# Altium PCB as14120_all.PcbDoc (part 4 of 4)
Units mm, origin at the board's own origin, x right, y up, seen from the top; angles counter-clockwise.
Board outline 130 x 100 mm, 6 copper layers (Top Layer, GND_top, Signal_Power, Signal_midle, GND_bot, Bottom Layer), stack 1.003 mm thick; 383 components, 353 nets, 2210 pads, 1060 vias.
Unrouted connection lines stored in the file: 634.
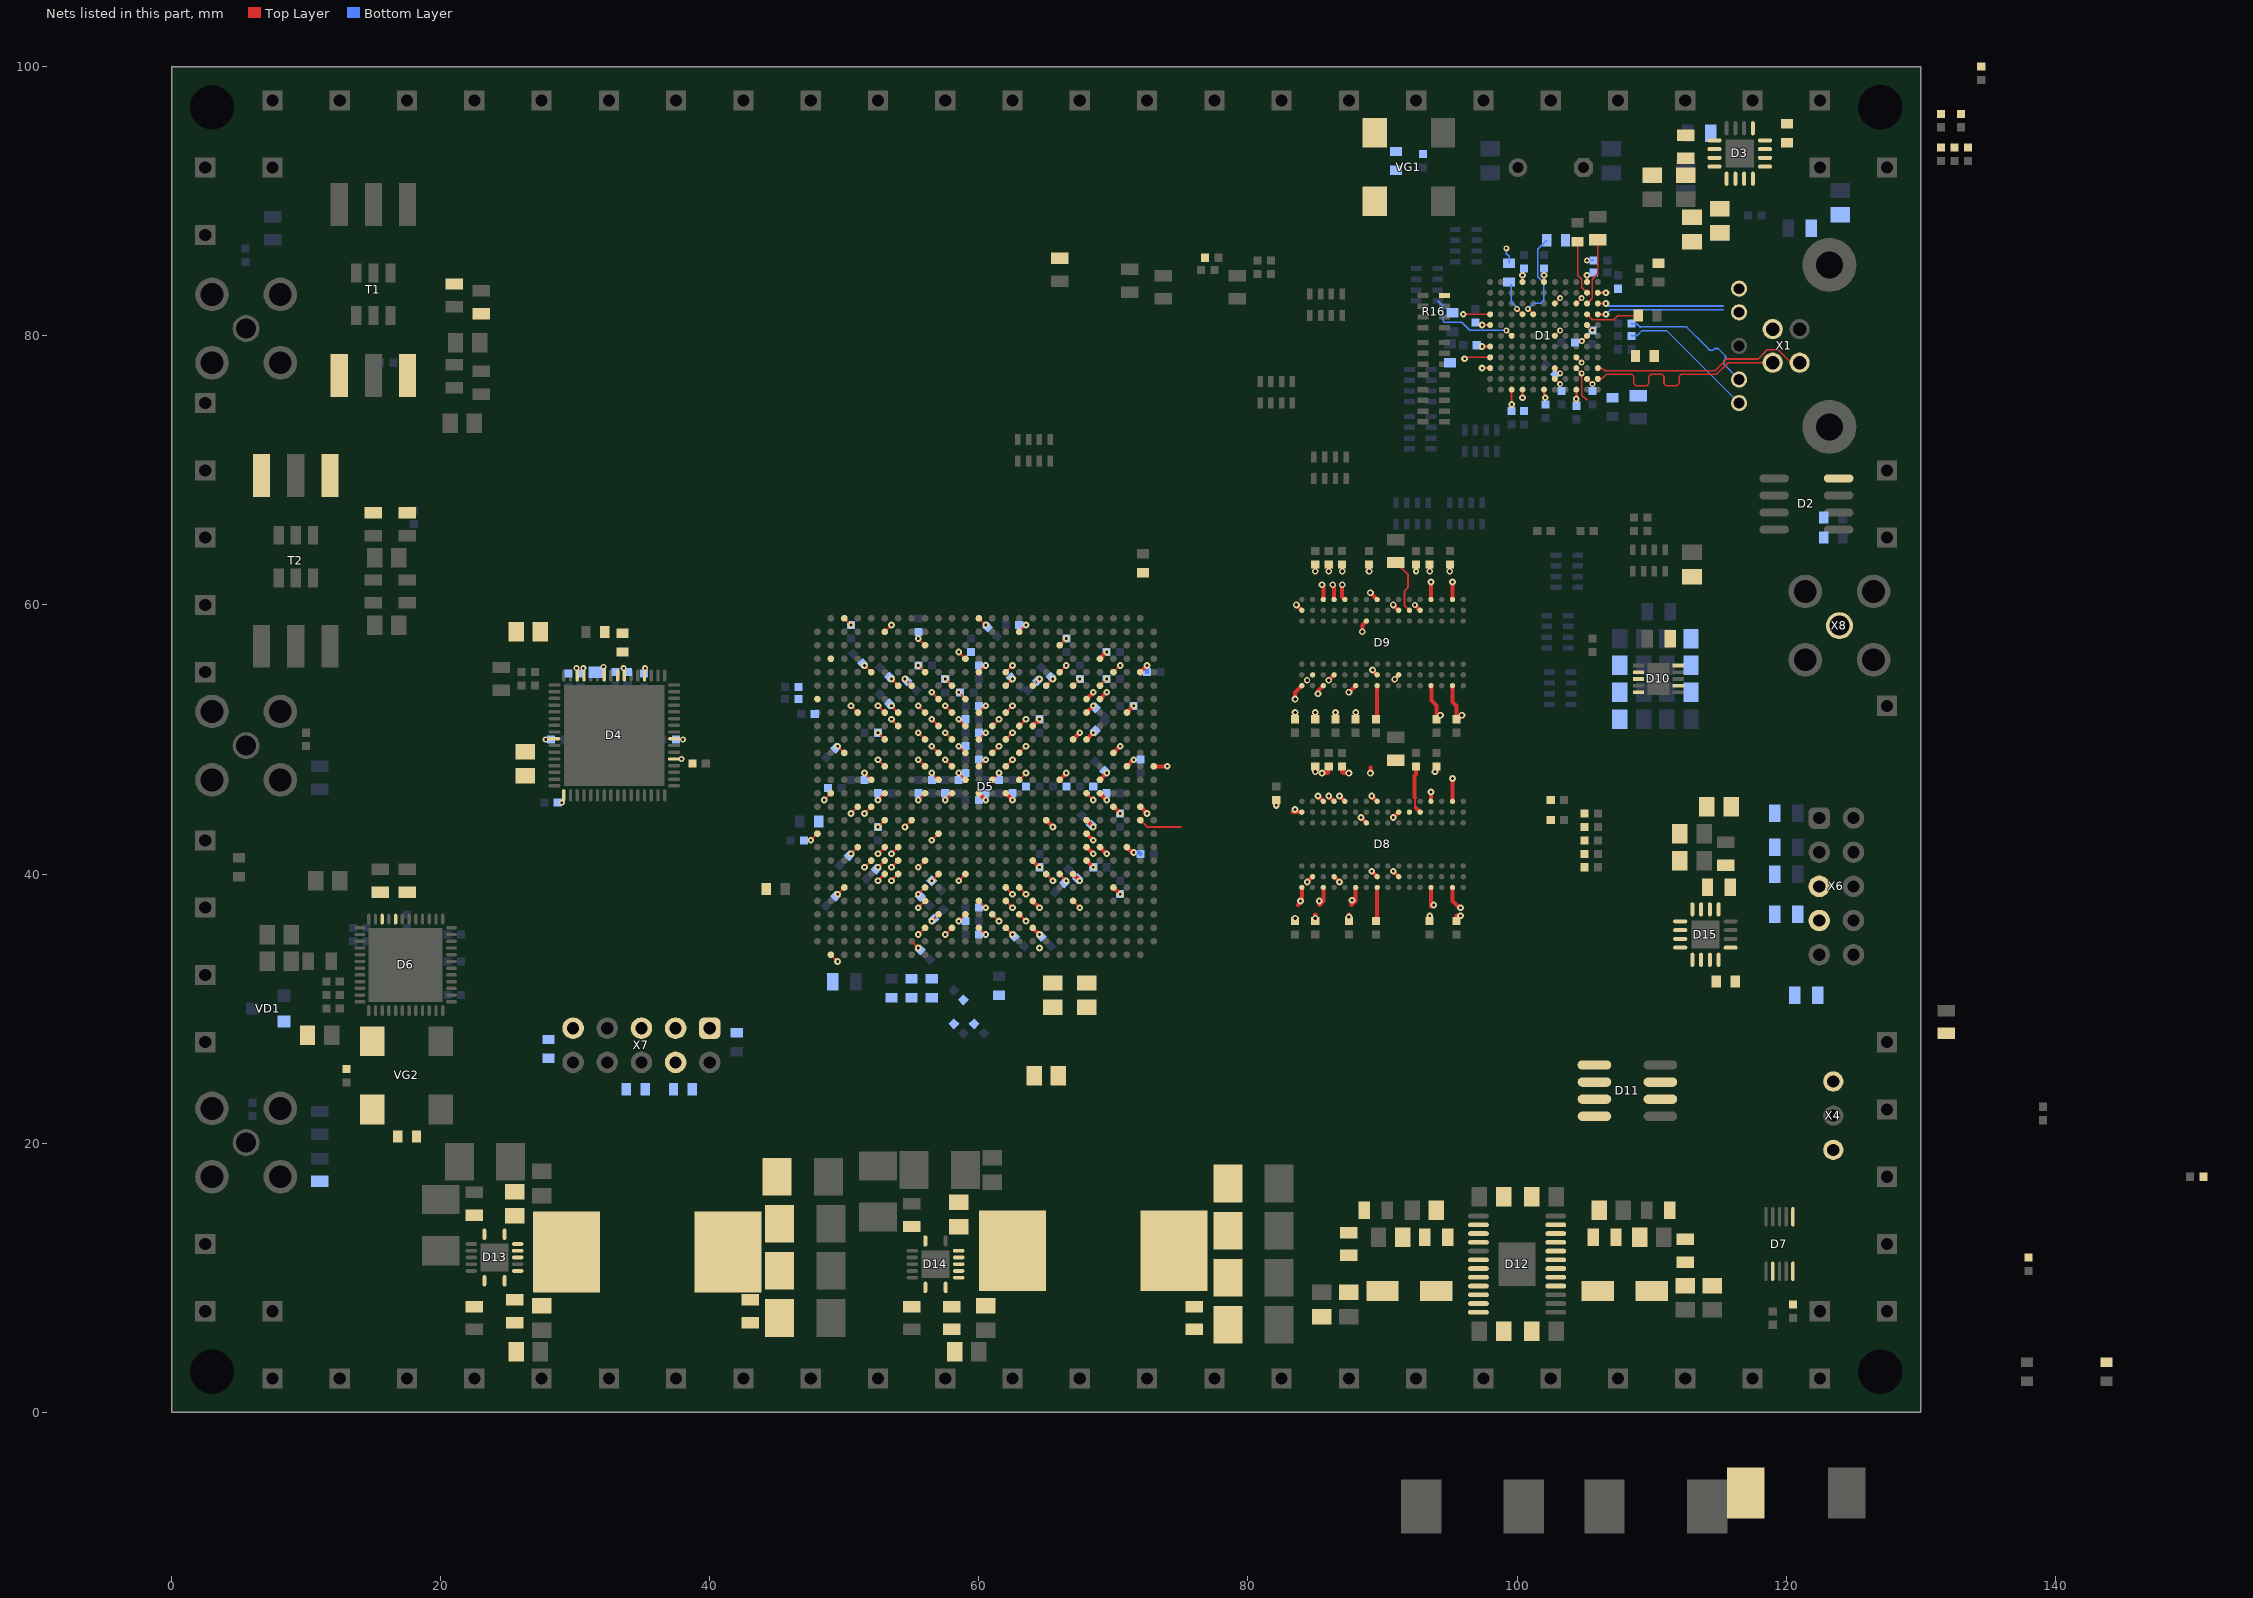
[diagram p7: the nets of this part, all layers, seen from the top]

## Via types
v1: diameter 0.5, hole 0.2, Top Layer to Bottom Layer, 705 vias
v2: diameter 0.45, hole 0.2, Top Layer to Bottom Layer, 314 vias
v3: diameter 0.5, hole 0.25, Top Layer to Bottom Layer, 38 vias
v4: diameter 0.45, hole 0.25, Top Layer to Bottom Layer, 3 vias

## Nets (pads, with @x,y where several pads share a name; then routed paths per layer and width w, separated by ;. In a path a pad name is that pad's centre, name@x,y a point inside that pad or via, vN(x,y) a via of type N, cw(c..) or ccw(c..) an arc to the next point about the centre after c; other vN are vias at no path point) (continued)
NetC130_2: C130.2 C131.2 C132.2 C133.2 C134.2 D5.G21 D5.J6 D5.L3 D5.R3 D5.T4 D5.W7 D5.Y21 L10.1 | length 4.9
  Top Layer w0.15: v1(53.5,54.5) D5.G21@54,54 ; v1(55.5,38.5) D5.J6@56,39 ; v1(57.5,35.5) D5.L3@58,36 ; D5.R3@62,36 v1(62.5,35.5) ; D5.T4@63,37 v1(63.5,36.5) ; D5.W7@66,40 v1(66.5,39.5) ; D5.Y21@67,54 v1(67.5,54.5)
NetC209_1: C209.1 D13.13
NetC209_2: C209.2 D13.11 D13.12 L14.1
NetC215_2: C215.2 R88.1
NetC216_2: C216.2 D12.22 R88.2
NetC219_2: C219.2 D13.9
NetC222_2: C222.2 R93.1
NetC223_2: C223.2 D12.3 R93.2
NetC224_2: C224.2 R91.2
NetC228_1: C228.1 D14.13
NetC228_2: C228.2 D14.11 D14.12 L16.1
NetC235_2: C235.2 D14.9
NetC236_2: C236.2 R100.2
NetD1_B2: D1.B2 R3.2 | length 4.1
  Top Layer w0.1: R3.2@104.5,87 104.5,84.5 104.8,84.2 104.8,83.6 D1.B2@105.2,83.2
NetD1_B3: D1.B3 R13.1 | length 5.1
  Top Layer w0.1: D1.B3@105.2,82.4 105.6,82.8 105.6,84.2 106,84.6 R13.1@106,87.15
NetD1_B4: D1.B4 R5.2 | length 4.1
  Top Layer w0.1: D1.B4@105.2,81.6 105.6,81.2 107.2,81.2 107.5,81.5 R5.2@109,81.5
NetD1_C8: D1.C8 R12.1 | length 0.6
  Top Layer w0.15: D1.C8@104.4,78.4 v2@104.8,78
  other v2: 104.8,78.007
NetD1_C9: D1.C9 R4.1 | length 2.7
  Top Layer w0.1: 104.8,76.966 104.8,75.6 105.2,75.2
  Top Layer w0.15: D1.C9@104.4,77.6 v2@104.8,77.2 ; 104.8,76.966 v2@104.8,77.2 ; v2(104.8,77.207) v2@104.8,77.2
NetD1_E6: D1.E6 R7.2 | length 0.6
  Top Layer w0.15: D1.E6@102.807,80 v2@103.207,80.4
  other v2: 103.2,80.4
NetD1_G4: D1.G4 R22.1 | length 6.9
  Top Layer w0.15: v2@100.793,82 D1.G4@101.193,81.6
  Bottom Layer w0.1: v2(100.8,82) 101.225,82.425 101.755,82.425 101.975,82.645 101.975,83.959 101.55,84.384 101.55,86.45 R22.1@102.2,87.1
NetD1_H4: D1.H4 R23.1 | length 2.6
  Top Layer w0.15: v2@99.993,82 D1.H4@100.393,81.6
  Bottom Layer w0.1: R23.1@99.575,83.825 99.575,82.525 100,82.1 v2(100,82)
NetD1_L4: D1.L4 R24.1 | length 2
  Top Layer w0.1: v1(96,81.6) 96.7,81.6 D1.L4@98,81.6
NetD1_L8: D1.L8 R25.1 | length 1.9
  Top Layer w0.1: v1(96.1,78.3) 96.2,78.4 D1.L8@98,78.4
NetD3_5: D3.5 R30.1
NetD3_9: D3.9 R27.1 R29.2
NetD4_40: D4.40 R34.2 R37.1
NetD4_42: D4.42 R39.1 | length 0.7
  Top Layer w0.1: v2(32.1,55.4) 32.15,55.35 D4.42@32.15,54.75
NetD5_AC22: D5.AC22 R102.1 | length 0.7
  Top Layer w0.15: D5.AC22@70,55 v1(70.5,55.5)
NetD5_AE11: D5.AE11 R75.1 | length 3.2
  Top Layer w0.15: D5.AE11@72,44 72.5,43.5 75.024,43.5
NetD5_B1: D5.B1 R74.1 | length 0.7
  Top Layer w0.15: D5.B1@49,34 v1(49.5,33.5)
NetD5_D12: D5.D12 R52.2 | length 0.7
  Top Layer w0.15: v1(50.5,44.5) D5.D12@51,45
NetD5_J5: D5.J5 R80.1 | length 0.7
  Top Layer w0.15: v1(55.5,37.5) D5.J5@56,38
NetD5_M7: D5.M7 R79.1 | length 0.7
  Top Layer w0.15: v1(58.5,39.5) D5.M7@59,40
NetD6_44: D6.44 R49.1
NetD6_46: D6.46 R50.1
NetD7_5: D7.5 X4.1
NetD7_6: D7.6 X4.3
NetD8_L8: D8.L8 R61.1
NetD9_L8: D9.L8 R62.1 | length 4.2
  Top Layer w0.15: R62.1@91,63.15 91.9,62.25 91.9,61.3 91.625,61.025 91.625,59.975 D9.L8@92,59.6
NetD11_6: D11.6 R71.1 R72.1 R73.2
NetD11_7: D11.7 R69.1 R70.1 R71.2
NetD12_2: D12.2 R92.1 R94.2
NetD12_8: D12.8 D12.9 L15.1
NetD12_16: D12.16 D12.17 L13.1
NetD12_23: D12.23 R85.1 R87.1
NetD13_1: D13.1 R90.1
NetD13_7: D13.7 R86.1 R89.2
NetD13_8: D13.8 R91.1
NetD14_1: D14.1 R98.1
NetD14_7: D14.7 R95.1 R97.2
NetD14_8: D14.8 R100.1
NetD15_5: D15.5 R101.1
NetD15_9: D15.9 R96.1 R99.2
NetR1_2: R1.2 X1.1
NetR11_2: R11.2 VG1.1
NetR31_2: R31.2 T1.3
NetR35_2: R35.2 T1.1
NetR40_2: R40.2 T2.3
NetR44_2: R44.2 T2.1
NetR46_2: R46.2 VG2.1
NetVD2_2: VD2.2 X8.1
PCLK: D1.J6 R16.8 | length 7.2
  Top Layer w0.15: v2@99.193,80.4 D1.J6@99.593,80
  Bottom Layer w0.1: 94.1,82.6 94.5,82.2 94.5,81.1 94.6,81 95.9,81 96.5,80.4 v2(99.2,80.4)
PG1P1: D13.14 D14.10
SS_RX_N: D1.A3 X1.8 | length 9.4
  Top Layer w0.15: D1.A3@106,82.4 v1(106.6,82.4)
  Bottom Layer w0.122: v1(106.6,82.4) 106.808,82.192 106.826,82.211 115.3,82.211
SS_RX_P: D1.A4 X1.9 | length 9.4
  Top Layer w0.15: D1.A4@106,81.6 v1(106.6,81.6)
  Bottom Layer w0.122: v1(106.6,81.6) 106.939,81.939 115.3,81.939
SS_TX_N: C3.1 X1.5 | length 10.4
  Bottom Layer w0.122: C3.1@108.5,80 108.9,80 109.289,80.389 111.111,80.389 X1.5@116.5,75
SS_TX_P: C2.1 X1.6 | length 10.4
  Bottom Layer w0.122: C2.1@108.5,80.9 108.9,80.9 109.157,80.642 109.176,80.661 112.589,80.661 114.05,79.2 114.328,78.922 114.566,78.922 114.7,79.057 114.938,79.057 115.493,78.501 115.493,78.263 115.359,78.129 115.359,77.891 115.375,77.875 X1.6@116.5,76.75
TCK: D5.Y5 R77.2 R84.2 X7.1 | length 0.7
  Top Layer w0.15: D5.Y5@67,38 v1(67.5,37.5)
TDI: D5.T6 R78.1 X7.9 | length 0.7
  Top Layer w0.15: D5.T6@63,39 v1(63.5,38.5)
TDO: D5.V7 X7.3 | length 0.7
  Top Layer w0.15: D5.V7@65,40 v1(65.5,39.5)
TMS: D5.R6 R76.2 X7.5 | length 0.7
  Top Layer w0.15: D5.R6@62,39 v1(62.5,38.5)
TTL_CLK: D5.J8 | length 0.7
  Top Layer w0.15: v1(55.5,40.5) D5.J8@56,41
TTL_RX: D11.1
TTL_SDIN: D5.G7 | length 0.7
  Top Layer w0.15: v1(53.5,39.5) D5.G7@54,40
TTL_SDOUT: D5.F7 | length 0.7
  Top Layer w0.15: v1(52.5,39.5) D5.F7@53,40
TTL_SS: D5.K10 | length 0.7
  Top Layer w0.15: v1(56.5,42.5) D5.K10@57,43
TTL_TX: D11.4
TTL_TX_EN: D11.2 D11.3
U3RXVDDQ: C7.2 C8.2 D1.A2 L1.2 | length 0.6
  Top Layer w0.15: D1.A2@106,83.2 v1(106.6,83.2)
U3TXVDDQ: C10.2 C11.2 D1.B5 L2.2 | length 0.6
  Top Layer w0.15: D1.B5@105.2,80.8 v2@105.6,80.4
  other v2: 105.6,80.407
USB_N: D1.A10 X1.2 | length 16.1
  Top Layer w0.122: D1.A10@106,76.8 106.3,76.8 106.639,77.139 107.5,77.139 108.505,77.139 108.673,76.971 108.673,76.451 108.841,76.283 109.627,76.283 109.795,76.451 109.795,76.971 109.963,77.139 110.749,77.139 110.917,76.971 110.917,76.451 111.085,76.283 111.871,76.283 112.039,76.451 112.039,76.971 112.207,77.139 112.6,77.139 114.824,77.139 115.685,78 X1.2@119,78
USB_P: D1.A9 X1.3 | length 16.1
  Top Layer w0.122: D1.A9@106,77.6 106.3,77.6 106.507,77.392 106.526,77.411 114.711,77.411 115.572,78.272 117.913,78.272 118.602,78.961 119.398,78.961 120.359,78 X1.3@121,78
V0P75D: C99.2 C100.2 C101.2 D10.3 D10.5 L8.2 L9.1
V1P1D: C123.2 C124.2 C125.2 C126.2 C127.2 C128.2 C129.2 C135.2 C136.2 C137.2 C138.2 C139.2 C140.2 C141.2 C147.2 C148.2 C149.2 C150.2 C151.2 C152.2 C153.2 C154.2 C211.1 C212.1 C213.1 C214.1 D5.J3 D5.J13 D5.J15 D5.J17 D5.J19 D5.K4 D5.K14 D5.K16 D5.K18 D5.K20 D5.L13 D5.L15 D5.L17 D5.L19 D5.M4 D5.M14 D5.M16 D5.M18 D5.M20 D5.N3 D5.N5 D5.N13 D5.N15 D5.N17 D5.N19 D5.P4 D5.P14 D5.P16 D5.P18 D5.R5 D5.R13 D5.R15 D5.R17 D5.R19 D5.T14 D5.T16 D5.T18 D5.U3 D5.U5 L14.2 R86.2 | length 28.3
  Top Layer w0.15: 55,35 v1(55.5,34.5) ; v1(55.5,35.5) D5.J3@56,36 ; v1(55.5,45.5) D5.J13@56,46 ; v1(55.5,48.5) D5.J15@56,48 ; v1(55.5,50.5) D5.J17@56,50 ; v1(55.5,52.5) D5.J19@56,52 ; v1(56.5,36.5) D5.K4@57,37 ; v1(56.5,47.5) D5.K14@57,47 ; v1(56.5,49.5) D5.K16@57,49 ; v1(56.5,51.5) D5.K18@57,51 ; v1(56.5,53.5) D5.K20@57,53 ; v1(57.5,45.5) D5.L13@58,46 ; v1(57.5,48.5) D5.L15@58,48 ; v1(57.5,50.5) D5.L17@58,50 ; v1(57.5,52.5) D5.L19@58,52 ; v1(58.5,36.5) D5.M4@59,37 ; v1(58.5,47.5) D5.M14@59,47 ; v1(58.5,49.5) D5.M16@59,49 ; v1(58.5,51.5) D5.M18@59,51 ; v1(58.5,53.5) D5.M20@59,53 ; D5.N3@60,36 v1(60.5,35.5) ; D5.N5@60,38 v1(60.5,37.5) ; D5.N15@60,48 v1(60.5,48.5) ; D5.N17@60,50 v1(60.5,50.5) ; D5.N19@60,52 v1(60.5,52.5) ; D5.P4@61,37 v1(61.5,36.5) ; D5.P14@61,47 v1(61.5,47.5) ; D5.P16@61,49 v1(61.5,49.5) ; D5.P18@61,51 v1(61.5,51.5) ; D5.R5@62,38 v1(62.5,37.5) ; D5.R15@62,48 v1(62.5,48.5) ; D5.R17@62,50 v1(62.5,50.5) ; D5.R19@62,52 v1(62.5,52.5) ; D5.T14@63,47 v1(63.5,47.5) ; D5.T16@63,49 v1(63.5,49.5) ; D5.T18@63,51 v1(63.5,51.5)
  Top Layer w0.3: D5.N13@60,46 v1(60.5,45.5) ; D5.R13@62,46 v1(62.5,45.5) ; D5.U3@64,36 v1(64.5,35.5) ; D5.U5@64,38 v1(64.5,37.5)
  other v1: 64.5,34.5
V1P2D: C6.2 C14.2 C15.2 C16.2 C17.2 C18.2 C19.2 C20.2 C21.2 C22.2 C23.2 D1.B10 D1.C3 D1.E9 D1.F11 D1.H1 D1.J11 D1.L5 D1.L7 D3.10 D3.11 D3.12 D3.13 D3.14 L1.1 L2.1 L3.1 R27.2 | length 5.1
  Top Layer w0.15: v1(97.4,79.2) D1.L7@98,79.2 ; v1(97.4,80.8) D1.L5@98,80.8 ; v1(99.6,74.9) D1.J11@99.6,76 ; D1.H1@100.4,84 v1(100.4,84.5) ; D1.F11@102,76 102,75.7 102.1,75.6 v1(102.1,75.4) ; D1.E9@102.8,77.6 v2@103.2,77.2 ; D1.C3@104.407,82.4 v2@104.807,82.8 ; D1.B10@105.2,76.8 v2@105.6,76.4
  other v2: 105.6,76.407 103.2,77.207 104.8,82.8
V1P5D: C83.2 C84.2 C85.2 C86.2 C87.2 C88.2 C89.2 C90.2 C91.2 C92.2 C93.2 C95.2 C96.2 C97.2 C98.2 C102.2 C104.2 C105.2 C106.2 C107.2 C108.2 C109.2 C110.2 C111.2 C112.2 C113.2 C114.2 C115.2 C116.2 C117.2 C118.2 C119.2 C121.2 C122.2 C173.2 C174.2 C175.2 C176.2 C177.2 C178.2 C179.2 C229.2 C230.2 D5.AA10 D5.AA20 D5.AB13 D5.AC16 D5.AD9 D5.AD19 D5.AE12 D5.AE22 D5.AF15 D5.E8 D5.U8 D5.U18 D5.V11 D5.W14 D5.Y17 D8.A1 D8.A8 D8.B2 D8.C1 D8.C9 D8.D2 D8.D9 D8.E9 D8.F1 D8.G7 D8.H2 D8.H9 D8.K2 D8.K8 D8.N1 D8.N9 D8.R1 D8.R9 D9.A1 D9.A8 D9.B2 D9.C1 D9.C9 D9.D2 D9.D9 D9.E9 D9.F1 D9.G7 D9.H2 D9.H9 D9.K2 D9.K8 D9.N1 D9.N9 D9.R1 D9.R9 D10.2 D10.7 D10.10 D15.10 D15.11 D15.12 D15.13 D15.14 R66.1 R67.2 R96.2 | length 59.5
  Top Layer w0.15: v1(51.5,40.5) D5.E8@52,41
  Top Layer w0.3: D5.U8@64,41 v1(64.5,40.5) ; D5.U18@64,51 v1(64.5,51.5) ; D5.V11@65,44 v1(65.5,43.5) ; D5.W14@66,47 v1(66.5,47.5) ; D5.Y17@67,50 v1(67.5,50.5) ; D5.AA10@68,43 v1(68.5,42.5) ; D5.AA20@68,53 v1(68.5,53.5) ; D5.AB13@69,46 v1(69.5,45.5) ; D5.AC16@70,49 v1(70.5,49.5) ; D5.AD9@71,42 71,41.97 71.37,41.6 v1@71.4,41.6 ; D5.AD19@71,52 v1(71.5,52.5) ; D5.AE12@72,45 v1(72.5,44.5) ; D5.AE22@72,55 v1(72.5,55.5) ; D5.AF15@73,48 v1(74,48) ; v1(82.1,45.1) C87.2@82.1,45.5 ; v1(83.5,44.8) 83.3,44.6 D8.A8@84,44.6 ; C116.2@83.5,51.5 v3(83.5,52) ; v3(83.5,53) 83.5,53.5 D9.A1@84,54 ; v3(83.6,60) D9.A8@84,59.6 ; v1(83.9,38) 83.9,37.9 83.7,37.7 84,38 D8.A1@84,39 ; v1(84.4,39.4) D8.B2@84.8,39.8 ; C107.2@85,36.5 85,37 v3(85,36.7) ; v3@85,47.6 C91.2@85,48 ; C117.2@85,51.5 v3(85,52) ; v1(85.2,45.8) D8.C9@85.6,45.4 ; v3(85.2,53.4) 85.2,53.6 D9.C1@85.6,54 ; v1(85.3,38) 85.3,37.7 85.6,38 D8.C1@85.6,39 ; v3(85.5,47.5) 85.9,47.5 86,47.6 C92.2@86,48 ; D9.C9@85.6,60.4 v3@85.6,61.4 ; v1(86,45.8) D8.D9@86.4,45.4 ; v3(86,54.4) D9.D2@86.4,54.8 ; v3(86,62.5) C88.2@86,63 ; D8.D2@86.4,39.8 v1(86.8,39.4) ; D9.D9@86.4,60.4 v3@86.4,61.4 ; C114.2@86.5,51.5 v3(86.5,52) ; v1(86.8,45.8) D8.E9@87.2,45.4 ; C93.2@87,48 87,47.6 87.1,47.5 v3(87.5,47.5) ; v3(87,61.5) 87,60.6 D9.E9@87.2,60.4 ; v3(87,62.5) C119.2@87,63 ; v3(87.5,36.8) v3@87.5,37 ; C108.2@87.5,36.5 v3@87.5,37 ; v3(87.5,53.5) D9.F1@87.9,53.9 ; v1(87.734,38.05) 87.7,38.016 87.7,37.7 88,38 D8.F1@88,39 ; C112.2@88,51.5 v3(88,52) ; v1(88.4,44.2) D8.G7@88.8,43.8 ; v3(88.5,58) 88.5,58.5 D9.G7@88.8,58.8 ; v3(89,62.5) C84.2@89,63 ; v3(89.1,47.5) 89.1,47.9 ; v3(89.1,60.9) D9.H9@89.6,60.4 ; v1(89.2,40.2) D8.H2@89.6,39.8 ; v1(89.2,45.8) D8.H9@89.6,45.4 ; v3(89.261,55.161) 89.261,55.121 89.582,54.8 D9.H2@89.6,54.8 ; v1(90.8,40.2) D8.K2@91.2,39.8 ; v1(90.8,44.2) D8.K8@91.2,44.6 ; v3@90.8,54.4 D9.K2@91.2,54.8 ; v3(90.8,60) D9.K8@91.2,59.6 ; v3@90.878,54.478 v3(90.9,54.478) ; C109.2@93.5,36.5 v1(93.5,36.9) ; v3(93.5,62.5) C83.2@93.5,63 ; v1@93.6,37.6 D8.N1@93.6,39 ; v1@93.6,37.6 93.6,37.9 v1(93.8,37.7) ; D8.N9@93.6,45.4 v1(93.6,46.1) ; D9.N1@93.6,54 93.625,53.975 93.625,52.9 94,52.525 94,51.8 ; D9.N9@93.6,60.4 v3(93.6,61.7) ; v1(93.9,47.6) 94,47.7 C104.2@94,48 ; C113.2@94,51.5 v3(94.3,51.8) ; v3(95,62.5) C118.2@95,63 ; D8.R1@95.2,39 95.2,38 95.7,37.5 v1(95.8,37.5) ; D8.R9@95.2,45.4 v1(95.2,47.1) ; D9.R1@95.2,54 95.2,52.8 95.5,52.5 C115.2@95.5,51.5 95.6,51.5 v3(95.9,51.8) ; D9.R9@95.2,60.4 v3(95.2,61.7) ; C110.2@95.5,36.5 95.5,36.9 v1(95.8,36.9)
  Bottom Layer w0.3: v1(71.5,41.6) 71.4,41.6 71.9,41.6 C176.2@72,41.5 ; C174.2@72.5,55 v1(72.5,55.5)
  other v3: 83.5,36.7 85,47.6 85.5,61.5 86.3,61.5 85,62.5
  other v4: 84.4,54.4
V1P8A: C50.2 C51.2 C52.2 D4.36 D4.45 D4.46 L4.1 | length 1.7
  Top Layer w0.1: v2(30.1,55.3) 30.15,55.25 D4.46@30.15,54.75 ; v2(30.6,55.3) 30.65,55.25 D4.45@30.65,54.75 ; D4.36@35.15,54.75 35.15,55.25 v2(35.2,55.3)
V1P8D: C24.2 C25.2 C26.2 C27.2 C28.2 C29.2 C30.2 C54.2 C55.2 C180.2 C181.2 C189.2 C190.2 C191.2 C192.2 C197.2 C198.2 C199.2 C200.2 C205.2 C206.2 D1.B1 D1.E3 D1.F1 D1.H11 D1.L9 D3.1 D3.2 D3.3 D3.4 D3.15 D3.16 D4.1 D4.21 D5.AB23 D5.C26 D5.E22 D5.F25 D5.H21 D5.J24 D5.M23 D5.N26 D5.R22 D5.T25 D5.V21 D5.W24 D15.1 D15.2 D15.3 D15.4 D15.15 D15.16 L4.2 L5.2 L12.2 L13.2 R22.2 R23.2 R26.2 R30.2 R85.2 R101.2 | length 14.1
  Top Layer w0.1: v2(29,45.3) 29.15,45.45 D4.1@29.15,45.85 ; D4.21@37.35,48.55 v2(37.9,48.55)
  Top Layer w0.15: D5.C26@50,59 v1(50.5,58.5) ; v1(51.5,55.5) D5.E22@52,55 ; D5.F25@53,58 v1(53.5,58.5) ; v1(54.5,54.5) D5.H21@55,54 ; v1(55.5,57.5) D5.J24@56,57 ; v1(58.5,56.5) D5.M23@59,56 ; D5.N26@60,59 v1(60.5,58.5) ; D5.R22@62,55 v1(62.5,55.5) ; D5.T25@63,58 v1(63.5,58.5) ; D5.V21@65,54 v1(65.5,54.5) ; D5.W24@66,57 v1(66.5,57.5) ; v1(97.4,77.6) D1.L9@98,77.6 ; v1(100.4,75.4) D1.H11@100.4,76 ; D1.F1@102,84 v1(102,84.5) ; D1.E3@102.807,82.4 v2@103.207,82.8 ; D1.B1@105.2,84 v1(105.2,84.5)
  Top Layer w0.3: D5.AB23@69,56 v1(69.5,56.5)
  Bottom Layer w0.1: v2(99.2,86.5) 99.2,86.1 99.4,85.9 R23.2@99.4,85.4 ; v2(105.2,85.6) C27.2@105.7,85.6
  other v2: 103.2,82.8
V1P8DVDD: C48.2 C49.2 D4.24 D4.57 L5.1 | length 1.3
  Top Layer w0.1: v2(27.8,50) 27.85,50.05 D4.57@28.45,50.05 ; D4.24@37.35,50.05 37.95,50.05 v2(38,50)
V2P5D: C157.2 C158.2 C159.2 C160.2 C161.2 C162.2 C163.2 C164.2 C165.2 C166.2 C167.2 C168.2 C182.2 C183.2 C184.2 C185.2 C186.2 C187.2 C188.2 C220.2 C221.2 D5.A10 D5.A20 D5.AA11 D5.AA13 D5.AA17 D5.AA19 D5.AB9 D5.AB21 D5.B13 D5.B23 D5.C16 D5.D19 D5.E12 D5.F9 D5.F11 D5.F13 D5.F15 D5.F17 D5.F19 D5.G18 D5.H11 D5.J22 D5.L21 D5.N22 D5.R21 D5.U21 L10.2 L11.2 L15.2 R92.2 | length 17
  Top Layer w0.15: v1(47.5,42.5) D5.A10@48,43 ; v1(48.5,45.5) D5.B13@49,46 ; v1(49.5,49.5) D5.C16@50,49 ; v1(50.5,52.5) D5.D19@51,52 ; v1(51.5,44.5) D5.E12@52,45 ; v1(52.5,41.5) D5.F9@53,42 ; v1(52.5,43.5) D5.F11@53,44 ; v1(52.5,45.5) D5.F13@53,46 ; v1(52.5,48.5) D5.F15@53,48 ; v1(52.5,50.5) D5.F17@53,50 ; v1(52.5,52.5) D5.F19@53,52 ; v1(53.5,51.5) D5.G18@54,51 ; v1(54.5,43.5) D5.H11@55,44 ; v1(55.5,55.5) D5.J22@56,55 ; v1(57.5,54.5) D5.L21@58,54 ; D5.N22@60,55 v1(60.5,55.5) ; D5.R21@62,54 v1(62.5,54.5) ; D5.U21@64,54 v1(64.5,54.5) ; D5.AA13@68,46 v1(68.5,45.5) ; D5.AB21@69,54 v1(69.5,54.5)
  Top Layer w0.3: D5.AA11@68,44 v1(68.5,43.5) ; D5.AA17@68,50 v1(68.5,50.5) ; D5.AA19@68,52 v1(68.5,52.5) ; D5.AB9@69,42 v1(69.5,41.5)
V3P3D: C31.2 C32.2 C33.2 C34.2 C35.2 C36.2 C64.2 C193.2 C194.2 C195.2 C196.2 C203.2 C204.2 C217.2 C218.2 C231.1 C232.1 C233.1 C234.1 D1.B6 D1.C11 D1.E10 D2.8 D5.C6 D5.D9 D5.G8 D5.K7 D7.2 D12.4 D12.6 D12.7 D12.10 D12.11 D12.12 D12.18 D12.19 D12.20 D12.21 L6.2 L16.2 R7.1 R11.1 R20.2 R21.2 R46.1 R47.2 R53.2 R69.2 R95.2 VD1.2 VG1.4 VG2.4 X6.5 X6.7 | length 4.7
  Top Layer w0.15: v1(49.5,38.5) D5.C6@50,39 ; v1(50.5,41.5) D5.D9@51,42 ; v1(53.5,40.5) D5.G8@54,41 ; v1(56.5,39.5) D5.K7@57,40 ; D1.E10@102.8,76.8 v2@103.2,76.4 ; v1(104.4,75.3) D1.C11@104.4,76 ; v2@104.8,79.6 D1.B6@105.2,80
  other v2: 103.2,76.407 104.807,79.6
VCC_AUX: C142.2 C143.2 C144.2 C145.2 C146.2 D5.AA8 D5.AB14 D5.AB20 D5.E14 D5.G9 D5.G19 L11.1 | length 4.2
  Top Layer w0.15: v1(51.5,47.5) D5.E14@52,47 ; v1(53.5,41.5) D5.G9@54,42 ; v1(53.5,52.5) D5.G19@54,52
  Top Layer w0.3: D5.AA8@68,41 v1(68.5,40.5) ; D5.AB14@69,47 v1(69.5,47.5) ; D5.AB20@69,53 v1(69.5,53.5)
VCCPGM: C155.2 C156.2 C169.2 C170.2 D5.AA9 D5.AC6 D5.F8 D5.W22 D5.Y7 L12.1 R76.1 R77.1 R78.2 R79.2 R80.2 R81.1 R82.1 R83.1 X7.4 | length 3.5
  Top Layer w0.15: v1(52.5,40.5) D5.F8@53,41 ; D5.W22@66,55 v1(66.5,55.5)
  Top Layer w0.3: D5.Y7@67,40 v1(67.5,39.5) ; D5.AA9@68,42 v1(68.5,41.5) ; D5.AC6@70,39 v1(70.5,38.5)
VREF: C41.1 C42.1 D4.39 R37.2 | length 0.6
  Top Layer w0.1: v2(33.6,55.3) 33.65,55.25 D4.39@33.65,54.75
VREFDDR: C79.2 C80.2 C81.2 C82.2 C171.2 C172.2 D5.AC12 D5.AD15 D8.H1 D8.M8 D9.H1 D9.M8 L9.2 | length 11.4
  Top Layer w0.15: 92.4,45.7 92.4,45 92.5,44.9
  Top Layer w0.3: D5.AC12@70,45 v1(70.5,44.5) ; D5.AD15@71,48 v1(71.5,48.5) ; C79.2@89.5,36.5 89.6,36.6 D8.H1@89.6,39 ; C82.2@89.5,51.5 89.6,51.6 D9.H1@89.6,54 ; 92.4,45.7 92.375,45.725 92.375,47.275 92.5,47.4 C80.2@92.5,48 ; v2(92.4,60) D9.M8@92.8,59.6 ; 92.5,44.9 D8.M8@92.8,44.6 ; v2(92.5,62.5) C81.2@92.5,63 ; v1(70.5,44.5) 70.5,44.6 70.523,44.576 70.523,44.523 v1(70.5,44.5)
pads on no net: D1.A11 D1.B11 D1.C2 D1.C4 D1.C10 D1.D1 D1.D6 D1.D11 D1.E7 D1.E8 D1.F2 D1.F6 D1.H3 D3.7 D3.8 D4.33 D4.34 D4.35 D4.53 D4.54 D4.55 D4.56 D4.58 D4.59 D4.60 D4.61 D5.A3 D5.A4 D5.A5 D5.A7 D5.A8 D5.A9 D5.A11 D5.A12 D5.A13 D5.A14 D5.A16 D5.A17 D5.A18 D5.A19 D5.A21 D5.AA3 D5.AA4 D5.AA6 D5.AA7 D5.AA12 D5.AA18 D5.AA21 D5.AB5 D5.AB6 D5.AB7 D5.AB19 D5.AB22 D5.AC3 D5.AC4 D5.AC25 D5.AD5 D5.AD6 D5.AD7 D5.AD25 D5.AE3 D5.AE4 D5.AE10 D5.AE13 D5.AE25 D5.AE26 D5.B6 D5.B7 D5.B9 D5.B10 D5.B11 D5.B12 D5.B14 D5.B15 D5.B17 D5.B19 D5.B20 D5.B21 D5.B22 D5.B25 D5.B26 D5.C3 D5.C4 D5.C9 D5.C10 D5.C12 D5.C13 D5.C15 D5.C17 D5.C18 D5.C19 D5.C20 D5.C24 D5.C25 D5.D8 D5.D10 D5.D11 D5.D20 D5.D21 D5.D22 D5.D25 D5.D26 D5.E3 D5.E4 D5.E9 D5.E10 D5.E11 D5.E21 D5.E23 D5.F14 D5.F21 D5.F23 D5.G3 D5.G4 D5.G10 D5.G11 D5.G16 D5.G17 D5.G20 D5.G22 D5.G24 D5.G25 D5.H8 D5.H9 D5.H10 D5.H12 D5.H13 D5.H14 D5.H19 D5.H20 D5.H22 D5.H23 D5.H24 D5.H25 D5.J10 D5.J11 D5.J12 D5.J21 D5.J23 D5.K1 D5.K2 D5.K8 D5.K9 D5.K21 D5.L8 D5.L22 D5.L23 D5.L24 D5.M10 D5.M22 D5.M25 D5.M26 D5.N9 D5.N20 D5.P1 D5.P2 D5.P8 D5.P11 D5.P12 D5.P23 D5.R8 D5.R9 D5.R10 D5.R23 D5.R24 D5.R26 D5.T7 D5.T8 D5.T11 D5.T12 D5.T13 D5.T19 D5.T21 D5.T22 D5.U6 D5.U7 D5.U12 D5.U20 D5.U26 D5.V8 D5.V12 D5.V17 D5.V18 D5.V22 D5.W3 D5.W4 D5.Y6 D5.Y8 D5.Y9 D5.Y11 D5.Y15 D5.Y16 D5.Y18 D5.Y19 D5.Y20 D5.Y23 D5.Y24 D5.Y25 D6.2 D6.7 D6.11 D6.17 D6.18 D6.19 D6.20 D6.22 D6.23 D6.26 D6.27 D6.28 D6.29 D6.32 D6.33 D6.38 D6.39 D6.41 D6.42 D8.J1 D8.J9 D8.L1 D8.L9 D8.M7 D9.J1 D9.J9 D9.L1 D9.L9 D9.M7 D10.9 D11.5 D11.8 D12.13 D12.15 D13.10 D14.14 D15.7 D15.8 R2.1 R2.2 R2.3 R2.4 R6.1 R6.2 R6.3 R6.4 R6.5 R8.1 R8.2 R8.3 R8.4 R8.8 R9.1 R9.2 R9.3 R9.4 R9.5 R9.6 R10.1 R10.2 R10.3 R10.4 R10.5 R14.1 R14.2 R14.3 R14.4 R14.5 R15.1 R15.2 R15.3 R15.4 R15.5 R15.6 R16.1 R16.2 R16.3 R16.4 R16.7 R17.1 R17.2 R17.3 R17.4 R18.1 R18.2 R18.3 R18.4 R18.6 R19.1 R19.2 R19.3 R19.4 R19.8 R28.1 R28.2 R28.3 R28.4 R28.5 R28.6 R28.7 R28.8 R43.1 R55.5 R55.6 R55.7 R55.8 R56.8 R60.5 R60.6 R60.7 R60.8 T1.5 T1.11 T1.12 T1.13 T1.14 T1.15 T1.16 T2.5 T2.11 T2.12 T2.13 T2.14 T2.15 T2.16 X7.6 X7.7 X7.8
copper on no net: | length 91.1
  Top Layer w0.15: v1(49.5,35.5) 50,36 ; v1(49.5,36.5) 50,37 ; v1(49.5,41.5) 50,42 ; v1(49.5,42.5) 50,43 ; v1(49.5,44.5) 50,45 ; v1(49.5,45.5) 50,46 ; v1(49.5,48.5) 50,48 ; v1(49.5,50.5) 50,50 ; v1(49.5,51.5) 50,51 ; v1(49.5,52.5) 50,52 ; v1(49.5,53.5) 50,53 ; v1(49.5,57.5) 50,57 ; v1(50.5,40.5) 51,41 ; v1(50.5,42.5) 51,43 ; v1(50.5,43.5) 51,44 ; v1(50.5,53.5) 51,53 ; v1(50.5,54.5) 51,54 ; v1(50.5,55.5) 51,55 ; v1(51.5,35.5) 52,36 ; v1(51.5,36.5) 52,37 ; v1(51.5,41.5) 52,42 ; v1(51.5,42.5) 52,43 ; v1(51.5,43.5) 52,44 ; v1(51.5,54.5) 52,54 ; v1(51.5,56.5) 52,56 ; v1(52.5,47.5) 53,47 ; v1(52.5,54.5) 53,54 ; v1(52.5,56.5) 53,56 ; v1(53.5,35.5) 54,36 ; v1(53.5,36.5) 54,37 ; v1(53.5,42.5) 54,43 ; v1(53.5,43.5) 54,44 ; v1(53.5,49.5) 54,49 ; v1(53.5,50.5) 54,50 ; v1(53.5,53.5) 54,53 ; v1(53.5,55.5) 54,55 ; v1(53.5,57.5) 54,57 ; v1(54.5,40.5) 55,41 ; v1(54.5,41.5) 55,42 ; v1(54.5,42.5) 55,43 ; v1(54.5,44.5) 55,45 ; v1(54.5,45.5) 55,46 ; v1(54.5,47.5) 55,47 ; v1(54.5,52.5) 55,52 ; v1(54.5,53.5) 55,53 ; v1(54.5,55.5) 55,55 ; v1(54.5,56.5) 55,56 ; v1(54.5,57.5) 55,57 ; v1(55.5,42.5) 56,43 ; v1(55.5,43.5) 56,44 ; v1(55.5,44.5) 56,45 ; v1(55.5,54.5) 56,54 ; v1(55.5,56.5) 56,56 ; v1(56.5,40.5) 57,41 ; v1(56.5,41.5) 57,42 ; v1(56.5,54.5) 57,54 ; 57,34 v1(57.5,33.5) ; 57,35 v1(57.5,34.5) ; v1(57.5,40.5) 58,41 ; v1(57.5,55.5) 58,55 ; v1(57.5,56.5) 58,56 ; v1(57.5,57.5) 58,57 ; v1(58.5,42.5) 59,43 ; v1(58.5,55.5) 59,55 ; 60,42 v1(60.5,41.5) ; 60,53 v1(60.5,53.5) ; 61,34 v1(61.5,33.5) ; 61,35 v1(61.5,34.5) ; 61,41 v1(61.5,40.5) ; 61,44 v1(61.5,43.5) ; 61,45 v1(61.5,44.5) ; 61,56 v1(61.5,56.5) ; 62,41 v1(62.5,40.5) ; 62,42 v1(62.5,41.5) ; 62,43 v1(62.5,42.5) ; 62,56 v1(62.5,56.5) ; 62,57 v1(62.5,57.5) ; 63,40 v1(63.5,39.5) ; 63,41 v1(63.5,40.5) ; 63,44 v1(63.5,43.5) ; 63,45 v1(63.5,44.5) ; 63,46 v1(63.5,45.5) ; 63,52 v1(63.5,52.5) ; 63,54 v1(63.5,54.5) ; 63,55 v1(63.5,55.5) ; 64,39 v1(64.5,38.5) ; 64,40 v1(64.5,39.5) ; 64,45 v1(64.5,44.5) ; 64,53 v1(64.5,53.5) ; 65,41 v1(65.5,40.5) ; 65,45 v1(65.5,44.5) ; 65,50 v1(65.5,50.5) ; 65,51 v1(65.5,51.5) ; 65,55 v1(65.5,55.5) ; 66,36 v1(66.5,35.5) ; 66,37 v1(66.5,36.5) ; 67,39 v1(67.5,38.5) ; 67,41 v1(67.5,40.5) ; 67,42 v1(67.5,41.5) ; 67,44 v1(67.5,43.5) ; 67,48 v1(67.5,48.5) ; 67,49 v1(67.5,49.5) ; 67,51 v1(67.5,51.5) ; 67,52 v1(67.5,52.5) ; 67,53 v1(67.5,53.5) ; 67,56 v1(67.5,56.5) ; 67,57 v1(67.5,57.5) ; 68,36 v1(68.5,35.5) ; 68,37 v1(68.5,36.5) ; 68,39 v1(68.5,38.5) ; 68,40 v1(68.5,39.5) ; 68,45 v1(68.5,44.5) ; 68,51 v1(68.5,51.5) ; 68,54 v1(68.5,54.5) ; 69,38 v1(69.5,37.5) ; 69,39 v1(69.5,38.5) ; 69,40 v1(69.5,39.5) ; 69,52 v1(69.5,52.5) ; 69,55 v1(69.5,55.5) ; 70,36 v1(70.5,35.5) ; 70,37 v1(70.5,36.5) ; 71,38 v1(71.5,37.5) ; 71,39 v1(71.5,38.5) ; 71,40 v1(71.5,39.5) ; v2@99.993,82.8 100.393,82.4 ; v2@101.593,80.4 101.993,80 ; 102.807,78.4 v2@103.207,78 ; 102.807,79.2 v2@103.207,78.8 ; 103.607,80 v2@104.007,80.4 ; 104.407,81.6 v2@104.807,82
  other v1: 104.3,73.1 103.6,73.5 105.1,73.8 103,74.2 103.6,74.2
  other v2: 103.2,78 103.2,78.8 101.6,80.4 104,80.4 104.8,82 100,82.8

## Polygon pours and split planes (outlines as drawn)
0V on GND_top (split plane): 129.498,0.502 0.502,0.502 0.502,99.498 129.498,99.498
0V on GND_bot (split plane): 129.498,0.502 0.502,0.502 0.502,99.498 129.498,99.498

## Keep-outs
Keep-Out Layer:
  lines w0.254: 1,6 1,94 6,94 6,99 124,99 124,94 129,94 129,6 124,6 124,1 6,1 6,6 1,6

## Text inside footprints (layer, text, board x,y; h text height)
X1: Top Overlay "usb_3" at 132,75.75 h1.5 r90